# Altium PCB SkyWar.PcbDoc (part 2 of 3)
Units mm, origin at the board's own origin, x right, y up, seen from the top; angles counter-clockwise.
Board outline 85 x 56 mm, 2 copper layers (Top Layer, Bottom Layer), stack 1.67 mm thick; 109 components, 94 nets, 423 pads, 3756 vias.
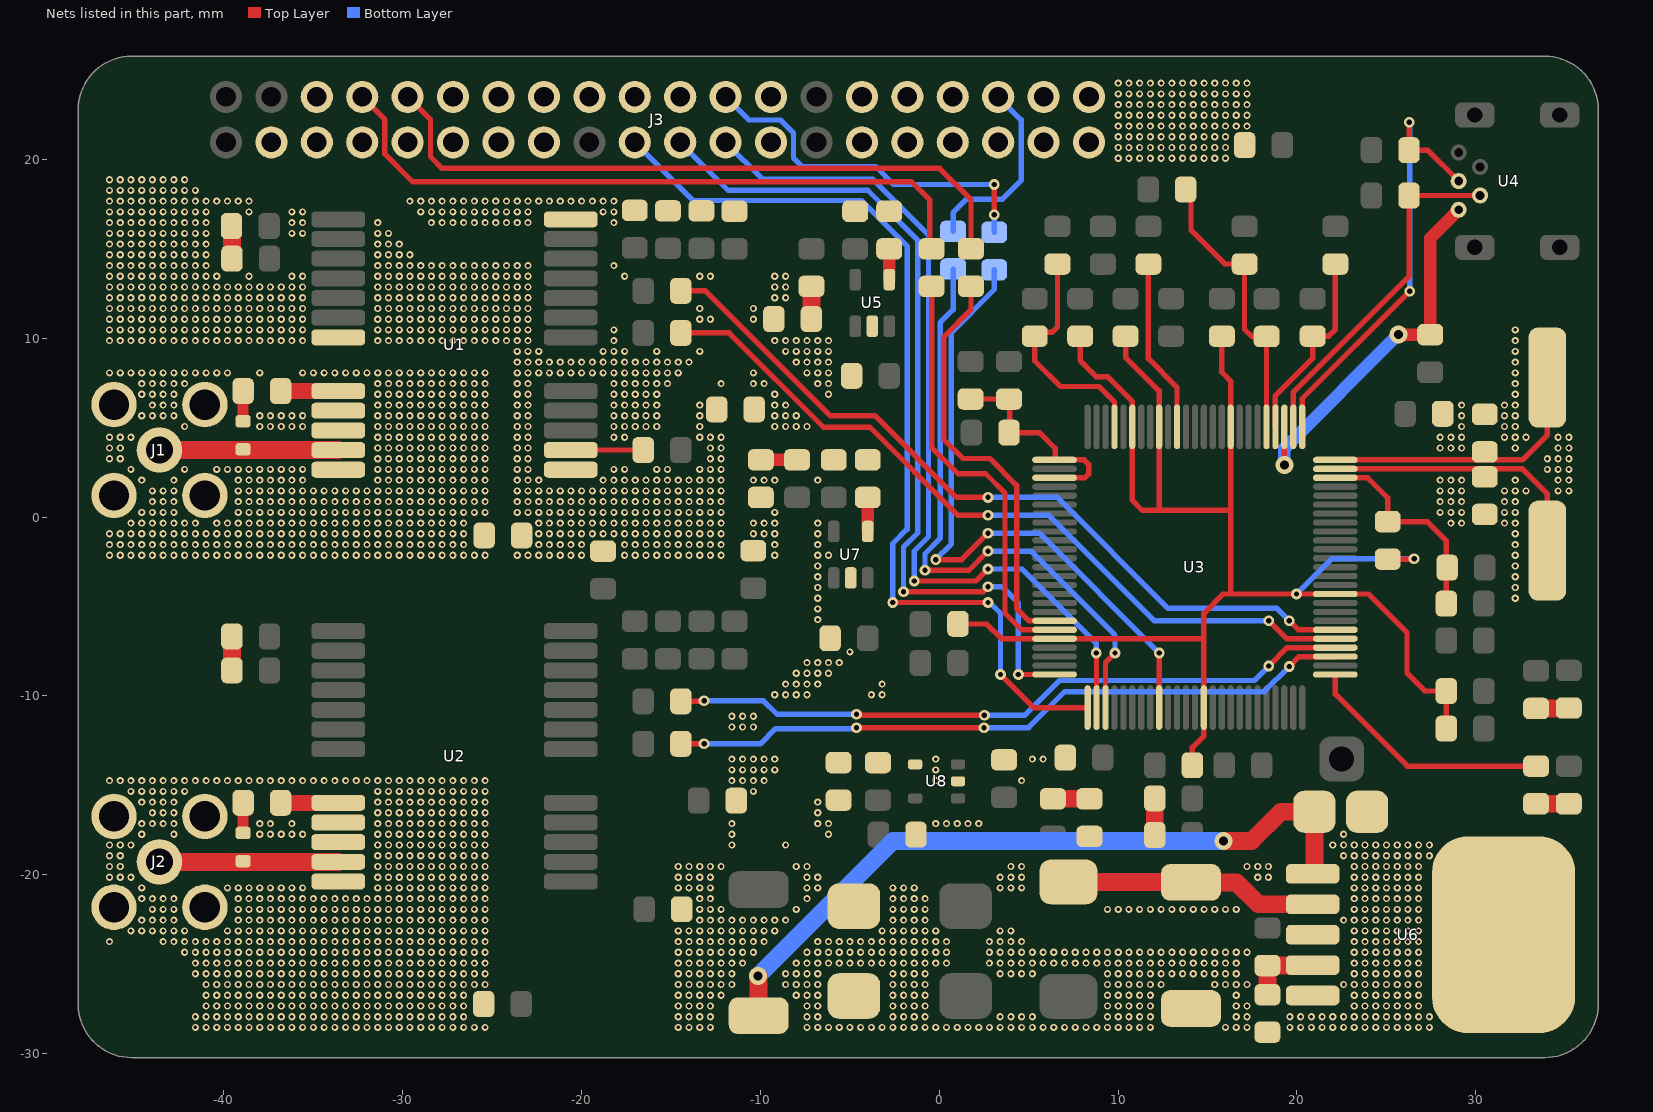
[diagram p2: the nets of this part, all layers, seen from the top]

## Via types
v1: diameter 0.4, hole 0.2, Top Layer to Bottom Layer, tented both sides, 3702 vias
v2: diameter 0.6, hole 0.3, Top Layer to Bottom Layer, tented both sides, 37 vias
v3: diameter 1, hole 0.5, Top Layer to Bottom Layer, tented both sides, 17 vias

## Nets (pads, with @x,y where several pads share a name; then routed paths per layer and width w, separated by ;. In a path a pad name is that pad's centre, name@x,y a point inside that pad or via, vN(x,y) a via of type N, cw(c..) or ccw(c..) an arc to the next point about the centre after c; other vN are vias at no path point) (continued)
GND_7M: C1.1 C2.1 C3.1 C4.1 R29.2 R31.2 R36.1 U1.7 U1.13 U1.24
  other v1: -23.596,-2.134 -22.996,-2.134 -22.396,-2.134 -21.796,-2.134 -21.196,-2.134 -20.596,-2.134 -19.996,-2.134 -17.596,-2.134 -16.996,-2.134 -16.396,-2.134 -15.796,-2.134 -15.196,-2.134 -14.596,-2.134 -13.996,-2.134 -13.396,-2.134 -12.796,-2.134 -12.196,-2.134 -22.396,-1.534 -21.796,-1.534 -21.196,-1.534 -20.596,-1.534 -19.996,-1.534 -17.596,-1.534 -16.996,-1.534 -16.396,-1.534 -15.796,-1.534 -15.196,-1.534 -14.596,-1.534 -13.996,-1.534 -13.396,-1.534 -12.796,-1.534 -12.196,-1.534 -22.396,-0.934 -21.796,-0.934 -21.196,-0.934 -20.596,-0.934 -19.996,-0.934 -19.396,-0.934 -18.796,-0.934 -18.196,-0.934 -17.596,-0.934 -16.996,-0.934 -16.396,-0.934 -15.796,-0.934 -15.196,-0.934 -14.596,-0.934 -13.996,-0.934 -13.396,-0.934 -12.796,-0.934 -12.196,-0.934 -22.396,-0.334 -21.796,-0.334 -21.196,-0.334 -20.596,-0.334 -19.996,-0.334 -19.396,-0.334 -18.796,-0.334 -18.196,-0.334 -17.596,-0.334 -16.996,-0.334 -16.396,-0.334 -15.796,-0.334 -15.196,-0.334 -14.596,-0.334 -13.996,-0.334 -13.396,-0.334 -12.796,-0.334 -12.196,-0.334 -23.596,0.266 -22.996,0.266 -22.396,0.266 -21.796,0.266 -21.196,0.266 -20.596,0.266 -19.996,0.266 -19.396,0.266 -18.796,0.266 -18.196,0.266 -17.596,0.266 -16.996,0.266 -16.396,0.266 -15.796,0.266 -15.196,0.266 -14.596,0.266 -13.996,0.266 -13.396,0.266 -12.796,0.266 -12.196,0.266 -23.596,0.866 -22.996,0.866 -22.396,0.866 -21.796,0.866 -21.196,0.866 -20.596,0.866 -19.996,0.866 -19.396,0.866 -18.796,0.866 -18.196,0.866 -17.596,0.866 -16.996,0.866 -16.396,0.866 -15.796,0.866 -15.196,0.866 -14.596,0.866 -13.996,0.866 -13.396,0.866 -12.796,0.866 -12.196,0.866 -23.596,1.466 -22.996,1.466 -22.396,1.466 -21.796,1.466 -21.196,1.466 -20.596,1.466 -19.996,1.466 -19.396,1.466 -18.796,1.466 -18.196,1.466 -17.596,1.466 -16.996,1.466 -16.396,1.466 -15.796,1.466 -15.196,1.466 -14.596,1.466 -13.996,1.466 -13.396,1.466 -12.796,1.466 -12.196,1.466 -23.596,2.066 -22.996,2.066 -22.396,2.066 -18.796,2.066 -18.196,2.066 -17.596,2.066 -16.996,2.066 -16.396,2.066 -15.796,2.066 -15.196,2.066 -14.596,2.066 -13.996,2.066 -13.396,2.066 -12.796,2.066 -12.196,2.066 -23.596,2.666 -22.996,2.666 -18.196,2.666 -17.596,2.666 -15.796,2.666 -15.196,2.666 -13.396,2.666 -12.796,2.666 -12.196,2.666 -23.596,3.266 -22.996,3.266 -12.796,3.266 -12.196,3.266 -23.596,3.866 -22.996,3.866 -12.796,3.866 -12.196,3.866 -23.596,4.466 -22.996,4.466 -18.196,4.466 -17.596,4.466 -13.396,4.466 -12.796,4.466 -12.196,4.466 -23.596,5.066 -22.996,5.066 -18.196,5.066 -17.596,5.066 -16.996,5.066 -16.396,5.066 -15.796,5.066 -13.396,5.066 -23.596,5.666 -22.996,5.666 -18.196,5.666 -17.596,5.666 -16.996,5.666 -16.396,5.666 -15.796,5.666 -13.396,5.666 -23.596,6.266 -22.996,6.266 -18.196,6.266 -17.596,6.266 -16.996,6.266 -16.396,6.266 -15.796,6.266 -13.396,6.266 -23.596,6.866 -22.996,6.866 -18.196,6.866 -17.596,6.866 -16.996,6.866 -16.396,6.866 -15.796,6.866 -23.596,7.466 -22.996,7.466 -18.196,7.466 -17.596,7.466 -16.996,7.466 -16.396,7.466 -15.796,7.466 -15.196,7.466 -12.196,7.466 -23.596,8.066 -22.996,8.066 -22.396,8.066 -21.796,8.066 -21.196,8.066 -20.596,8.066 -19.996,8.066 -19.396,8.066 -18.796,8.066 -18.196,8.066 -17.596,8.066 -16.996,8.066 -16.396,8.066 -15.796,8.066 -15.196,8.066 -14.596,8.066 -23.596,8.666 -22.996,8.666 -22.396,8.666 -21.796,8.666 -21.196,8.666 -20.596,8.666 -19.996,8.666 -19.396,8.666 -18.796,8.666 -18.196,8.666 -17.596,8.666 -16.996,8.666 -16.396,8.666 -15.796,8.666 -15.196,8.666 -14.596,8.666 -13.996,8.666 -23.596,9.266 -22.996,9.266 -22.396,9.266 -18.796,9.266 -18.196,9.266 -17.596,9.266 -15.796,9.266 -13.396,9.266 -46.396,9.866 -45.796,9.866 -45.196,9.866 -44.596,9.866 -43.996,9.866 -43.396,9.866 -42.796,9.866 -42.196,9.866 -41.596,9.866 -40.996,9.866 -40.396,9.866 -39.796,9.866 -39.196,9.866 -38.596,9.866 -37.996,9.866 -37.396,9.866 -36.796,9.866 -36.196,9.866 -35.596,9.866 -31.396,9.866 -30.796,9.866 -30.196,9.866 -29.596,9.866 -28.996,9.866 -28.396,9.866 -27.796,9.866 -27.196,9.866 -26.596,9.866 -25.996,9.866 -25.396,9.866 -24.796,9.866 -24.196,9.866 -23.596,9.866 -22.996,9.866 -18.196,9.866 -46.396,10.466 -45.796,10.466 -45.196,10.466 -44.596,10.466 -43.996,10.466 -43.396,10.466 -42.796,10.466 -42.196,10.466 -41.596,10.466 -40.996,10.466 -40.396,10.466 -39.796,10.466 -39.196,10.466 -38.596,10.466 -37.996,10.466 -37.396,10.466 -36.796,10.466 -36.196,10.466 -35.596,10.466 -31.396,10.466 -30.796,10.466 -30.196,10.466 -29.596,10.466 -28.996,10.466 -28.396,10.466 -27.796,10.466 -27.196,10.466 -26.596,10.466 -25.996,10.466 -25.396,10.466 -24.796,10.466 -24.196,10.466 -23.596,10.466 -22.996,10.466 -18.196,10.466 -46.396,11.066 -45.796,11.066 -45.196,11.066 -44.596,11.066 -43.996,11.066 -43.396,11.066 -42.796,11.066 -42.196,11.066 -41.596,11.066 -40.996,11.066 -40.396,11.066 -39.796,11.066 -39.196,11.066 -38.596,11.066 -37.996,11.066 -37.396,11.066 -36.796,11.066 -36.196,11.066 -35.596,11.066 -31.396,11.066 -30.796,11.066 -30.196,11.066 -29.596,11.066 -28.996,11.066 -28.396,11.066 -27.796,11.066 -27.196,11.066 -26.596,11.066 -25.996,11.066 -25.396,11.066 -24.796,11.066 -24.196,11.066 -23.596,11.066 -22.996,11.066 -13.396,11.066 -12.796,11.066 -46.396,11.666 -45.796,11.666 -45.196,11.666 -44.596,11.666 -43.996,11.666 -43.396,11.666 -42.796,11.666 -42.196,11.666 -41.596,11.666 -40.996,11.666 -40.396,11.666 -39.796,11.666 -39.196,11.666 -38.596,11.666 -37.996,11.666 -37.396,11.666 -36.796,11.666 -36.196,11.666 -35.596,11.666 -31.396,11.666 -30.796,11.666 -30.196,11.666 -29.596,11.666 -28.996,11.666 -28.396,11.666 -27.796,11.666 -27.196,11.666 -26.596,11.666 -25.996,11.666 -25.396,11.666 -24.796,11.666 -24.196,11.666 -23.596,11.666 -22.996,11.666 -13.396,11.666 -46.396,12.266 -45.796,12.266 -45.196,12.266 -44.596,12.266 -43.996,12.266 -43.396,12.266 -42.796,12.266 -42.196,12.266 -41.596,12.266 -40.996,12.266 -40.396,12.266 -39.796,12.266 -39.196,12.266 -38.596,12.266 -37.996,12.266 -37.396,12.266 -36.796,12.266 -36.196,12.266 -35.596,12.266 -31.396,12.266 -30.796,12.266 -30.196,12.266 -29.596,12.266 -28.996,12.266 -28.396,12.266 -27.796,12.266 -27.196,12.266 -26.596,12.266 -25.996,12.266 -25.396,12.266 -24.796,12.266 -24.196,12.266 -23.596,12.266 -22.996,12.266 -46.396,12.866 -45.796,12.866 -45.196,12.866 -44.596,12.866 -43.996,12.866 -43.396,12.866 -42.796,12.866 -42.196,12.866 -41.596,12.866 -40.996,12.866 -40.396,12.866 -39.796,12.866 -39.196,12.866 -38.596,12.866 -37.996,12.866 -37.396,12.866 -36.796,12.866 -36.196,12.866 -35.596,12.866 -31.396,12.866 -30.796,12.866 -30.196,12.866 -29.596,12.866 -28.996,12.866 -28.396,12.866 -27.796,12.866 -27.196,12.866 -26.596,12.866 -25.996,12.866 -25.396,12.866 -24.796,12.866 -24.196,12.866 -23.596,12.866 -22.996,12.866 -46.396,13.466 -45.796,13.466 -45.196,13.466 -44.596,13.466 -43.996,13.466 -43.396,13.466 -42.796,13.466 -42.196,13.466 -41.596,13.466 -40.996,13.466 -40.396,13.466 -38.596,13.466 -36.196,13.466 -35.596,13.466 -31.396,13.466 -30.796,13.466 -30.196,13.466 -29.596,13.466 -28.996,13.466 -28.396,13.466 -27.796,13.466 -27.196,13.466 -26.596,13.466 -25.996,13.466 -25.396,13.466 -24.796,13.466 -24.196,13.466 -23.596,13.466 -22.996,13.466 -17.596,13.466 -13.396,13.466 -12.796,13.466 -46.396,14.066 -45.796,14.066 -45.196,14.066 -44.596,14.066 -43.996,14.066 -43.396,14.066 -42.796,14.066 -42.196,14.066 -41.596,14.066 -40.996,14.066 -31.396,14.066 -30.796,14.066 -30.196,14.066 -29.596,14.066 -28.996,14.066 -28.396,14.066 -27.796,14.066 -27.196,14.066 -26.596,14.066 -25.996,14.066 -25.396,14.066 -24.796,14.066 -24.196,14.066 -23.596,14.066 -22.996,14.066 -18.196,14.066 -46.396,14.666 -45.796,14.666 -45.196,14.666 -44.596,14.666 -43.996,14.666 -43.396,14.666 -42.796,14.666 -42.196,14.666 -41.596,14.666 -40.996,14.666 -31.396,14.666 -30.796,14.666 -30.196,14.666 -29.596,14.666 -46.396,15.266 -45.796,15.266 -45.196,15.266 -44.596,15.266 -43.996,15.266 -43.396,15.266 -42.796,15.266 -42.196,15.266 -41.596,15.266 -40.996,15.266 -31.396,15.266 -30.796,15.266 -30.196,15.266 -46.396,15.866 -45.796,15.866 -45.196,15.866 -44.596,15.866 -43.996,15.866 -43.396,15.866 -42.796,15.866 -42.196,15.866 -41.596,15.866 -40.996,15.866 -36.196,15.866 -35.596,15.866 -31.396,15.866 -30.796,15.866 -46.396,16.466 -45.796,16.466 -45.196,16.466 -44.596,16.466 -43.996,16.466 -43.396,16.466 -42.796,16.466 -42.196,16.466 -41.596,16.466 -40.996,16.466 -36.196,16.466 -35.596,16.466 -31.396,16.466 -28.396,16.466 -27.796,16.466 -27.196,16.466 -26.596,16.466 -25.996,16.466 -25.396,16.466 -24.796,16.466 -24.196,16.466 -23.596,16.466 -22.996,16.466 -18.196,16.466 -46.396,17.066 -45.796,17.066 -45.196,17.066 -44.596,17.066 -43.996,17.066 -43.396,17.066 -42.796,17.066 -42.196,17.066 -41.596,17.066 -40.996,17.066 -38.596,17.066 -36.196,17.066 -35.596,17.066 -28.996,17.066 -28.396,17.066 -27.796,17.066 -27.196,17.066 -26.596,17.066 -25.996,17.066 -25.396,17.066 -24.796,17.066 -24.196,17.066 -23.596,17.066 -22.996,17.066 -18.796,17.066 -18.196,17.066 -46.396,17.666 -45.796,17.666 -45.196,17.666 -44.596,17.666 -43.996,17.666 -43.396,17.666 -42.796,17.666 -42.196,17.666 -41.596,17.666 -40.996,17.666 -40.396,17.666 -39.796,17.666 -39.196,17.666 -38.596,17.666 -29.596,17.666 -28.996,17.666 -28.396,17.666 -27.796,17.666 -27.196,17.666 -26.596,17.666 -25.996,17.666 -25.396,17.666 -24.796,17.666 -24.196,17.666 -23.596,17.666 -22.996,17.666 -22.396,17.666 -21.796,17.666 -21.196,17.666 -20.596,17.666 -19.996,17.666 -19.396,17.666 -18.796,17.666 -18.196,17.666 -46.396,18.266 -45.796,18.266 -45.196,18.266 -44.596,18.266 -43.996,18.266 -43.396,18.266 -42.796,18.266 -42.196,18.266 -41.596,18.266 -46.396,18.866 -45.796,18.866 -45.196,18.866 -44.596,18.866 -43.996,18.866 -43.396,18.866 -42.796,18.866 -42.196,18.866
GND_ANT_6M: J2.2 R35.2 U2.10 U2.12
  other v1: -41.596,-28.534 -40.996,-28.534 -40.396,-28.534 -39.796,-28.534 -39.196,-28.534 -38.596,-28.534 -37.996,-28.534 -37.396,-28.534 -36.796,-28.534 -36.196,-28.534 -35.596,-28.534 -34.996,-28.534 -34.396,-28.534 -33.796,-28.534 -33.196,-28.534 -32.596,-28.534 -31.996,-28.534 -31.396,-28.534 -30.796,-28.534 -30.196,-28.534 -29.596,-28.534 -28.996,-28.534 -28.396,-28.534 -27.796,-28.534 -27.196,-28.534 -26.596,-28.534 -25.996,-28.534 -25.396,-28.534 -41.596,-27.934 -40.996,-27.934 -40.396,-27.934 -39.796,-27.934 -39.196,-27.934 -38.596,-27.934 -37.996,-27.934 -37.396,-27.934 -36.796,-27.934 -36.196,-27.934 -35.596,-27.934 -34.996,-27.934 -34.396,-27.934 -33.796,-27.934 -33.196,-27.934 -32.596,-27.934 -31.996,-27.934 -31.396,-27.934 -30.796,-27.934 -30.196,-27.934 -29.596,-27.934 -28.996,-27.934 -28.396,-27.934 -27.796,-27.934 -27.196,-27.934 -26.596,-27.934 -40.996,-27.334 -40.396,-27.334 -39.796,-27.334 -39.196,-27.334 -38.596,-27.334 -37.996,-27.334 -37.396,-27.334 -36.796,-27.334 -36.196,-27.334 -35.596,-27.334 -34.996,-27.334 -34.396,-27.334 -33.796,-27.334 -33.196,-27.334 -32.596,-27.334 -31.996,-27.334 -31.396,-27.334 -30.796,-27.334 -30.196,-27.334 -29.596,-27.334 -28.996,-27.334 -28.396,-27.334 -27.796,-27.334 -27.196,-27.334 -26.596,-27.334 -40.996,-26.734 -40.396,-26.734 -39.796,-26.734 -39.196,-26.734 -38.596,-26.734 -37.996,-26.734 -37.396,-26.734 -36.796,-26.734 -36.196,-26.734 -35.596,-26.734 -34.996,-26.734 -34.396,-26.734 -33.796,-26.734 -33.196,-26.734 -32.596,-26.734 -31.996,-26.734 -31.396,-26.734 -30.796,-26.734 -30.196,-26.734 -29.596,-26.734 -28.996,-26.734 -28.396,-26.734 -27.796,-26.734 -27.196,-26.734 -26.596,-26.734 -40.996,-26.134 -40.396,-26.134 -39.796,-26.134 -39.196,-26.134 -38.596,-26.134 -37.996,-26.134 -37.396,-26.134 -36.796,-26.134 -36.196,-26.134 -35.596,-26.134 -34.996,-26.134 -34.396,-26.134 -33.796,-26.134 -33.196,-26.134 -32.596,-26.134 -31.996,-26.134 -31.396,-26.134 -30.796,-26.134 -30.196,-26.134 -29.596,-26.134 -28.996,-26.134 -28.396,-26.134 -27.796,-26.134 -27.196,-26.134 -26.596,-26.134 -25.996,-26.134 -25.396,-26.134 -41.596,-25.534 -40.996,-25.534 -40.396,-25.534 -39.796,-25.534 -39.196,-25.534 -38.596,-25.534 -37.996,-25.534 -37.396,-25.534 -36.796,-25.534 -36.196,-25.534 -35.596,-25.534 -34.996,-25.534 -34.396,-25.534 -33.796,-25.534 -33.196,-25.534 -32.596,-25.534 -31.996,-25.534 -31.396,-25.534 -30.796,-25.534 -30.196,-25.534 -29.596,-25.534 -28.996,-25.534 -28.396,-25.534 -27.796,-25.534 -27.196,-25.534 -26.596,-25.534 -25.996,-25.534 -25.396,-25.534 -41.596,-24.934 -40.996,-24.934 -40.396,-24.934 -39.796,-24.934 -39.196,-24.934 -38.596,-24.934 -37.996,-24.934 -37.396,-24.934 -36.796,-24.934 -36.196,-24.934 -35.596,-24.934 -34.996,-24.934 -34.396,-24.934 -33.796,-24.934 -33.196,-24.934 -32.596,-24.934 -31.996,-24.934 -31.396,-24.934 -30.796,-24.934 -30.196,-24.934 -29.596,-24.934 -28.996,-24.934 -28.396,-24.934 -27.796,-24.934 -27.196,-24.934 -26.596,-24.934 -25.996,-24.934 -25.396,-24.934 -42.196,-24.334 -41.596,-24.334 -40.996,-24.334 -40.396,-24.334 -39.796,-24.334 -39.196,-24.334 -38.596,-24.334 -37.996,-24.334 -37.396,-24.334 -36.796,-24.334 -36.196,-24.334 -35.596,-24.334 -34.996,-24.334 -34.396,-24.334 -33.796,-24.334 -33.196,-24.334 -32.596,-24.334 -31.996,-24.334 -31.396,-24.334 -30.796,-24.334 -30.196,-24.334 -29.596,-24.334 -28.996,-24.334 -28.396,-24.334 -27.796,-24.334 -27.196,-24.334 -26.596,-24.334 -25.996,-24.334 -25.396,-24.334 -46.396,-23.734 -43.396,-23.734 -42.796,-23.734 -42.196,-23.734 -41.596,-23.734 -40.996,-23.734 -40.396,-23.734 -39.796,-23.734 -39.196,-23.734 -38.596,-23.734 -37.996,-23.734 -37.396,-23.734 -36.796,-23.734 -36.196,-23.734 -35.596,-23.734 -34.996,-23.734 -34.396,-23.734 -33.796,-23.734 -33.196,-23.734 -32.596,-23.734 -31.996,-23.734 -31.396,-23.734 -30.796,-23.734 -30.196,-23.734 -29.596,-23.734 -28.996,-23.734 -28.396,-23.734 -27.796,-23.734 -27.196,-23.734 -26.596,-23.734 -25.996,-23.734 -25.396,-23.734 -45.196,-23.134 -44.596,-23.134 -43.996,-23.134 -43.396,-23.134 -42.796,-23.134 -42.196,-23.134 -39.796,-23.134 -39.196,-23.134 -38.596,-23.134 -37.996,-23.134 -37.396,-23.134 -36.796,-23.134 -36.196,-23.134 -35.596,-23.134 -34.996,-23.134 -34.396,-23.134 -33.796,-23.134 -33.196,-23.134 -32.596,-23.134 -31.996,-23.134 -31.396,-23.134 -30.796,-23.134 -30.196,-23.134 -29.596,-23.134 -28.996,-23.134 -28.396,-23.134 -27.796,-23.134 -27.196,-23.134 -26.596,-23.134 -25.996,-23.134 -25.396,-23.134 -44.596,-22.534 -43.996,-22.534 -43.396,-22.534 -42.796,-22.534 -39.196,-22.534 -38.596,-22.534 -37.996,-22.534 -37.396,-22.534 -36.796,-22.534 -36.196,-22.534 -35.596,-22.534 -34.996,-22.534 -34.396,-22.534 -33.796,-22.534 -33.196,-22.534 -32.596,-22.534 -31.996,-22.534 -31.396,-22.534 -30.796,-22.534 -30.196,-22.534 -29.596,-22.534 -28.996,-22.534 -28.396,-22.534 -27.796,-22.534 -27.196,-22.534 -26.596,-22.534 -25.996,-22.534 -25.396,-22.534 -43.996,-21.934 -43.396,-21.934 -42.796,-21.934 -39.196,-21.934 -38.596,-21.934 -37.996,-21.934 -37.396,-21.934 -36.796,-21.934 -36.196,-21.934 -35.596,-21.934 -34.996,-21.934 -34.396,-21.934 -33.796,-21.934 -33.196,-21.934 -32.596,-21.934 -31.996,-21.934 -31.396,-21.934 -30.796,-21.934 -30.196,-21.934 -29.596,-21.934 -28.996,-21.934 -28.396,-21.934 -27.796,-21.934 -27.196,-21.934 -26.596,-21.934 -25.996,-21.934 -25.396,-21.934 -44.596,-21.334 -43.996,-21.334 -43.396,-21.334 -42.796,-21.334 -39.196,-21.334 -38.596,-21.334 -37.996,-21.334 -37.396,-21.334 -36.796,-21.334 -36.196,-21.334 -35.596,-21.334 -34.996,-21.334 -34.396,-21.334 -33.796,-21.334 -33.196,-21.334 -32.596,-21.334 -31.996,-21.334 -31.396,-21.334 -30.796,-21.334 -30.196,-21.334 -29.596,-21.334 -28.996,-21.334 -28.396,-21.334 -27.796,-21.334 -27.196,-21.334 -26.596,-21.334 -25.996,-21.334 -25.396,-21.334 -44.596,-20.734 -39.796,-20.734 -39.196,-20.734 -38.596,-20.734 -37.996,-20.734 -37.396,-20.734 -36.796,-20.734 -36.196,-20.734 -35.596,-20.734 -31.396,-20.734 -30.796,-20.734 -30.196,-20.734 -29.596,-20.734 -28.996,-20.734 -28.396,-20.734 -27.796,-20.734 -27.196,-20.734 -26.596,-20.734 -25.996,-20.734 -25.396,-20.734 -46.396,-20.134 -45.796,-20.134 -45.196,-20.134 -31.396,-20.134 -30.796,-20.134 -30.196,-20.134 -29.596,-20.134 -28.996,-20.134 -28.396,-20.134 -27.796,-20.134 -27.196,-20.134 -26.596,-20.134 -25.996,-20.134 -25.396,-20.134 -46.396,-19.534 -45.796,-19.534 -31.396,-19.534 -30.796,-19.534 -30.196,-19.534 -29.596,-19.534 -28.996,-19.534 -28.396,-19.534 -27.796,-19.534 -27.196,-19.534 -26.596,-19.534 -25.996,-19.534 -25.396,-19.534 -46.396,-18.934 -45.796,-18.934 -31.396,-18.934 -30.796,-18.934 -30.196,-18.934 -29.596,-18.934 -28.996,-18.934 -28.396,-18.934 -27.796,-18.934 -27.196,-18.934 -26.596,-18.934 -25.996,-18.934 -25.396,-18.934 -46.396,-18.334 -45.796,-18.334 -45.196,-18.334 -31.396,-18.334 -30.796,-18.334 -30.196,-18.334 -29.596,-18.334 -28.996,-18.334 -28.396,-18.334 -27.796,-18.334 -27.196,-18.334 -26.596,-18.334 -25.996,-18.334 -25.396,-18.334 -44.596,-17.734 -42.796,-17.734 -37.996,-17.734 -37.396,-17.734 -36.796,-17.734 -36.196,-17.734 -35.596,-17.734 -31.396,-17.734 -30.796,-17.734 -30.196,-17.734 -29.596,-17.734 -28.996,-17.734 -28.396,-17.734 -27.796,-17.734 -27.196,-17.734 -26.596,-17.734 -25.996,-17.734 -25.396,-17.734 -44.596,-17.134 -43.996,-17.134 -43.396,-17.134 -42.796,-17.134 -37.996,-17.134 -37.396,-17.134 -36.196,-17.134 -31.396,-17.134 -30.796,-17.134 -30.196,-17.134 -29.596,-17.134 -28.996,-17.134 -28.396,-17.134 -27.796,-17.134 -27.196,-17.134 -26.596,-17.134 -25.996,-17.134 -25.396,-17.134 -43.996,-16.534 -43.396,-16.534 -42.796,-16.534 -31.396,-16.534 -30.796,-16.534 -30.196,-16.534 -29.596,-16.534 -28.996,-16.534 -28.396,-16.534 -27.796,-16.534 -27.196,-16.534 -26.596,-16.534 -25.996,-16.534 -25.396,-16.534 -44.596,-15.934 -43.996,-15.934 -43.396,-15.934 -42.796,-15.934 -31.396,-15.934 -30.796,-15.934 -30.196,-15.934 -29.596,-15.934 -28.996,-15.934 -28.396,-15.934 -27.796,-15.934 -27.196,-15.934 -26.596,-15.934 -25.996,-15.934 -25.396,-15.934 -45.196,-15.334 -44.596,-15.334 -43.996,-15.334 -43.396,-15.334 -42.796,-15.334 -42.196,-15.334 -31.396,-15.334 -30.796,-15.334 -30.196,-15.334 -29.596,-15.334 -28.996,-15.334 -28.396,-15.334 -27.796,-15.334 -27.196,-15.334 -26.596,-15.334 -25.996,-15.334 -25.396,-15.334 -46.396,-14.734 -45.796,-14.734 -45.196,-14.734 -44.596,-14.734 -43.996,-14.734 -43.396,-14.734 -42.796,-14.734 -42.196,-14.734 -41.596,-14.734 -40.996,-14.734 -40.396,-14.734 -39.796,-14.734 -39.196,-14.734 -38.596,-14.734 -37.996,-14.734 -37.396,-14.734 -36.796,-14.734 -36.196,-14.734 -35.596,-14.734 -34.996,-14.734 -34.396,-14.734 -33.796,-14.734 -33.196,-14.734 -32.596,-14.734 -31.996,-14.734 -31.396,-14.734 -30.796,-14.734 -30.196,-14.734 -29.596,-14.734 -28.996,-14.734 -28.396,-14.734 -27.796,-14.734 -27.196,-14.734 -26.596,-14.734 -25.996,-14.734 -25.396,-14.734
GND_ANT_7M: J1.2 R36.2 U1.10 U1.12
  other v1: -46.396,-2.134 -45.796,-2.134 -45.196,-2.134 -44.596,-2.134 -43.996,-2.134 -43.396,-2.134 -42.796,-2.134 -42.196,-2.134 -41.596,-2.134 -40.996,-2.134 -40.396,-2.134 -39.796,-2.134 -39.196,-2.134 -38.596,-2.134 -37.996,-2.134 -37.396,-2.134 -36.796,-2.134 -36.196,-2.134 -35.596,-2.134 -34.996,-2.134 -34.396,-2.134 -33.796,-2.134 -33.196,-2.134 -32.596,-2.134 -31.996,-2.134 -31.396,-2.134 -30.796,-2.134 -30.196,-2.134 -29.596,-2.134 -28.996,-2.134 -28.396,-2.134 -27.796,-2.134 -27.196,-2.134 -26.596,-2.134 -25.996,-2.134 -25.396,-2.134 -46.396,-1.534 -45.796,-1.534 -45.196,-1.534 -44.596,-1.534 -43.996,-1.534 -43.396,-1.534 -42.796,-1.534 -42.196,-1.534 -41.596,-1.534 -40.996,-1.534 -40.396,-1.534 -39.796,-1.534 -39.196,-1.534 -38.596,-1.534 -37.996,-1.534 -37.396,-1.534 -36.796,-1.534 -36.196,-1.534 -35.596,-1.534 -34.996,-1.534 -34.396,-1.534 -33.796,-1.534 -33.196,-1.534 -32.596,-1.534 -31.996,-1.534 -31.396,-1.534 -30.796,-1.534 -30.196,-1.534 -29.596,-1.534 -28.996,-1.534 -28.396,-1.534 -27.796,-1.534 -27.196,-1.534 -26.596,-1.534 -46.396,-0.934 -45.796,-0.934 -45.196,-0.934 -44.596,-0.934 -43.996,-0.934 -43.396,-0.934 -42.796,-0.934 -42.196,-0.934 -41.596,-0.934 -40.996,-0.934 -40.396,-0.934 -39.796,-0.934 -39.196,-0.934 -38.596,-0.934 -37.996,-0.934 -37.396,-0.934 -36.796,-0.934 -36.196,-0.934 -35.596,-0.934 -34.996,-0.934 -34.396,-0.934 -33.796,-0.934 -33.196,-0.934 -32.596,-0.934 -31.996,-0.934 -31.396,-0.934 -30.796,-0.934 -30.196,-0.934 -29.596,-0.934 -28.996,-0.934 -28.396,-0.934 -27.796,-0.934 -27.196,-0.934 -26.596,-0.934 -45.196,-0.334 -44.596,-0.334 -43.996,-0.334 -43.396,-0.334 -42.796,-0.334 -42.196,-0.334 -41.596,-0.334 -40.396,-0.334 -39.796,-0.334 -39.196,-0.334 -38.596,-0.334 -37.996,-0.334 -37.396,-0.334 -36.796,-0.334 -36.196,-0.334 -35.596,-0.334 -34.996,-0.334 -34.396,-0.334 -33.796,-0.334 -33.196,-0.334 -32.596,-0.334 -31.996,-0.334 -31.396,-0.334 -30.796,-0.334 -30.196,-0.334 -29.596,-0.334 -28.996,-0.334 -28.396,-0.334 -27.796,-0.334 -27.196,-0.334 -26.596,-0.334 -44.596,0.266 -43.996,0.266 -43.396,0.266 -42.796,0.266 -39.196,0.266 -38.596,0.266 -37.996,0.266 -37.396,0.266 -36.796,0.266 -36.196,0.266 -35.596,0.266 -34.996,0.266 -34.396,0.266 -33.796,0.266 -33.196,0.266 -32.596,0.266 -31.996,0.266 -31.396,0.266 -30.796,0.266 -30.196,0.266 -29.596,0.266 -28.996,0.266 -28.396,0.266 -27.796,0.266 -27.196,0.266 -26.596,0.266 -25.996,0.266 -25.396,0.266 -43.996,0.866 -43.396,0.866 -42.796,0.866 -39.196,0.866 -38.596,0.866 -37.996,0.866 -37.396,0.866 -36.796,0.866 -36.196,0.866 -35.596,0.866 -34.996,0.866 -34.396,0.866 -33.796,0.866 -33.196,0.866 -32.596,0.866 -31.996,0.866 -31.396,0.866 -30.796,0.866 -30.196,0.866 -29.596,0.866 -28.996,0.866 -28.396,0.866 -27.796,0.866 -27.196,0.866 -26.596,0.866 -25.996,0.866 -25.396,0.866 -43.996,1.466 -43.396,1.466 -42.796,1.466 -39.196,1.466 -38.596,1.466 -37.996,1.466 -37.396,1.466 -36.796,1.466 -36.196,1.466 -35.596,1.466 -34.996,1.466 -34.396,1.466 -33.796,1.466 -33.196,1.466 -32.596,1.466 -31.996,1.466 -31.396,1.466 -30.796,1.466 -30.196,1.466 -29.596,1.466 -28.996,1.466 -28.396,1.466 -27.796,1.466 -27.196,1.466 -26.596,1.466 -25.996,1.466 -25.396,1.466 -44.596,2.066 -42.796,2.066 -39.196,2.066 -38.596,2.066 -37.996,2.066 -37.396,2.066 -36.796,2.066 -36.196,2.066 -35.596,2.066 -31.396,2.066 -30.796,2.066 -30.196,2.066 -29.596,2.066 -28.996,2.066 -28.396,2.066 -27.796,2.066 -27.196,2.066 -26.596,2.066 -25.996,2.066 -25.396,2.066 -45.196,2.666 -42.196,2.666 -40.396,2.666 -39.796,2.666 -39.196,2.666 -38.596,2.666 -37.996,2.666 -37.396,2.666 -36.796,2.666 -36.196,2.666 -35.596,2.666 -31.396,2.666 -30.796,2.666 -30.196,2.666 -29.596,2.666 -28.996,2.666 -28.396,2.666 -27.796,2.666 -27.196,2.666 -26.596,2.666 -25.996,2.666 -25.396,2.666 -46.396,3.266 -45.796,3.266 -31.396,3.266 -30.796,3.266 -30.196,3.266 -29.596,3.266 -28.996,3.266 -28.396,3.266 -27.796,3.266 -27.196,3.266 -26.596,3.266 -25.996,3.266 -25.396,3.266 -46.396,3.866 -45.796,3.866 -31.396,3.866 -30.796,3.866 -30.196,3.866 -29.596,3.866 -28.996,3.866 -28.396,3.866 -27.796,3.866 -27.196,3.866 -26.596,3.866 -25.996,3.866 -25.396,3.866 -46.396,4.466 -45.796,4.466 -45.196,4.466 -31.396,4.466 -30.796,4.466 -30.196,4.466 -29.596,4.466 -28.996,4.466 -28.396,4.466 -27.796,4.466 -27.196,4.466 -26.596,4.466 -25.996,4.466 -25.396,4.466 -42.196,5.066 -37.996,5.066 -37.396,5.066 -36.796,5.066 -36.196,5.066 -35.596,5.066 -31.396,5.066 -30.796,5.066 -30.196,5.066 -29.596,5.066 -28.996,5.066 -28.396,5.066 -27.796,5.066 -27.196,5.066 -26.596,5.066 -25.996,5.066 -25.396,5.066 -44.596,5.666 -43.996,5.666 -43.396,5.666 -42.796,5.666 -37.996,5.666 -37.396,5.666 -36.796,5.666 -36.196,5.666 -35.596,5.666 -31.396,5.666 -30.796,5.666 -30.196,5.666 -29.596,5.666 -28.996,5.666 -28.396,5.666 -27.796,5.666 -27.196,5.666 -26.596,5.666 -25.996,5.666 -25.396,5.666 -43.996,6.266 -43.396,6.266 -42.796,6.266 -31.396,6.266 -30.796,6.266 -30.196,6.266 -29.596,6.266 -28.996,6.266 -28.396,6.266 -27.796,6.266 -27.196,6.266 -26.596,6.266 -25.996,6.266 -25.396,6.266 -44.596,6.866 -43.996,6.866 -43.396,6.866 -42.796,6.866 -31.396,6.866 -30.796,6.866 -30.196,6.866 -29.596,6.866 -28.996,6.866 -28.396,6.866 -27.796,6.866 -27.196,6.866 -26.596,6.866 -25.996,6.866 -25.396,6.866 -44.596,7.466 -43.996,7.466 -43.396,7.466 -42.796,7.466 -42.196,7.466 -31.396,7.466 -30.796,7.466 -30.196,7.466 -29.596,7.466 -28.996,7.466 -28.396,7.466 -27.796,7.466 -27.196,7.466 -26.596,7.466 -25.996,7.466 -25.396,7.466 -46.396,8.066 -45.796,8.066 -45.196,8.066 -44.596,8.066 -43.996,8.066 -43.396,8.066 -42.796,8.066 -42.196,8.066 -41.596,8.066 -40.996,8.066 -40.396,8.066 -39.796,8.066 -37.996,8.066 -35.596,8.066 -34.996,8.066 -34.396,8.066 -33.796,8.066 -33.196,8.066 -32.596,8.066 -31.996,8.066 -31.396,8.066 -30.796,8.066 -30.196,8.066 -29.596,8.066 -28.996,8.066 -28.396,8.066 -27.796,8.066 -27.196,8.066 -26.596,8.066 -25.996,8.066 -25.396,8.066